# Altium PCB PROC054D_MMWCAS_RF_EVM.PcbDoc (part 3 of 14) (continued)
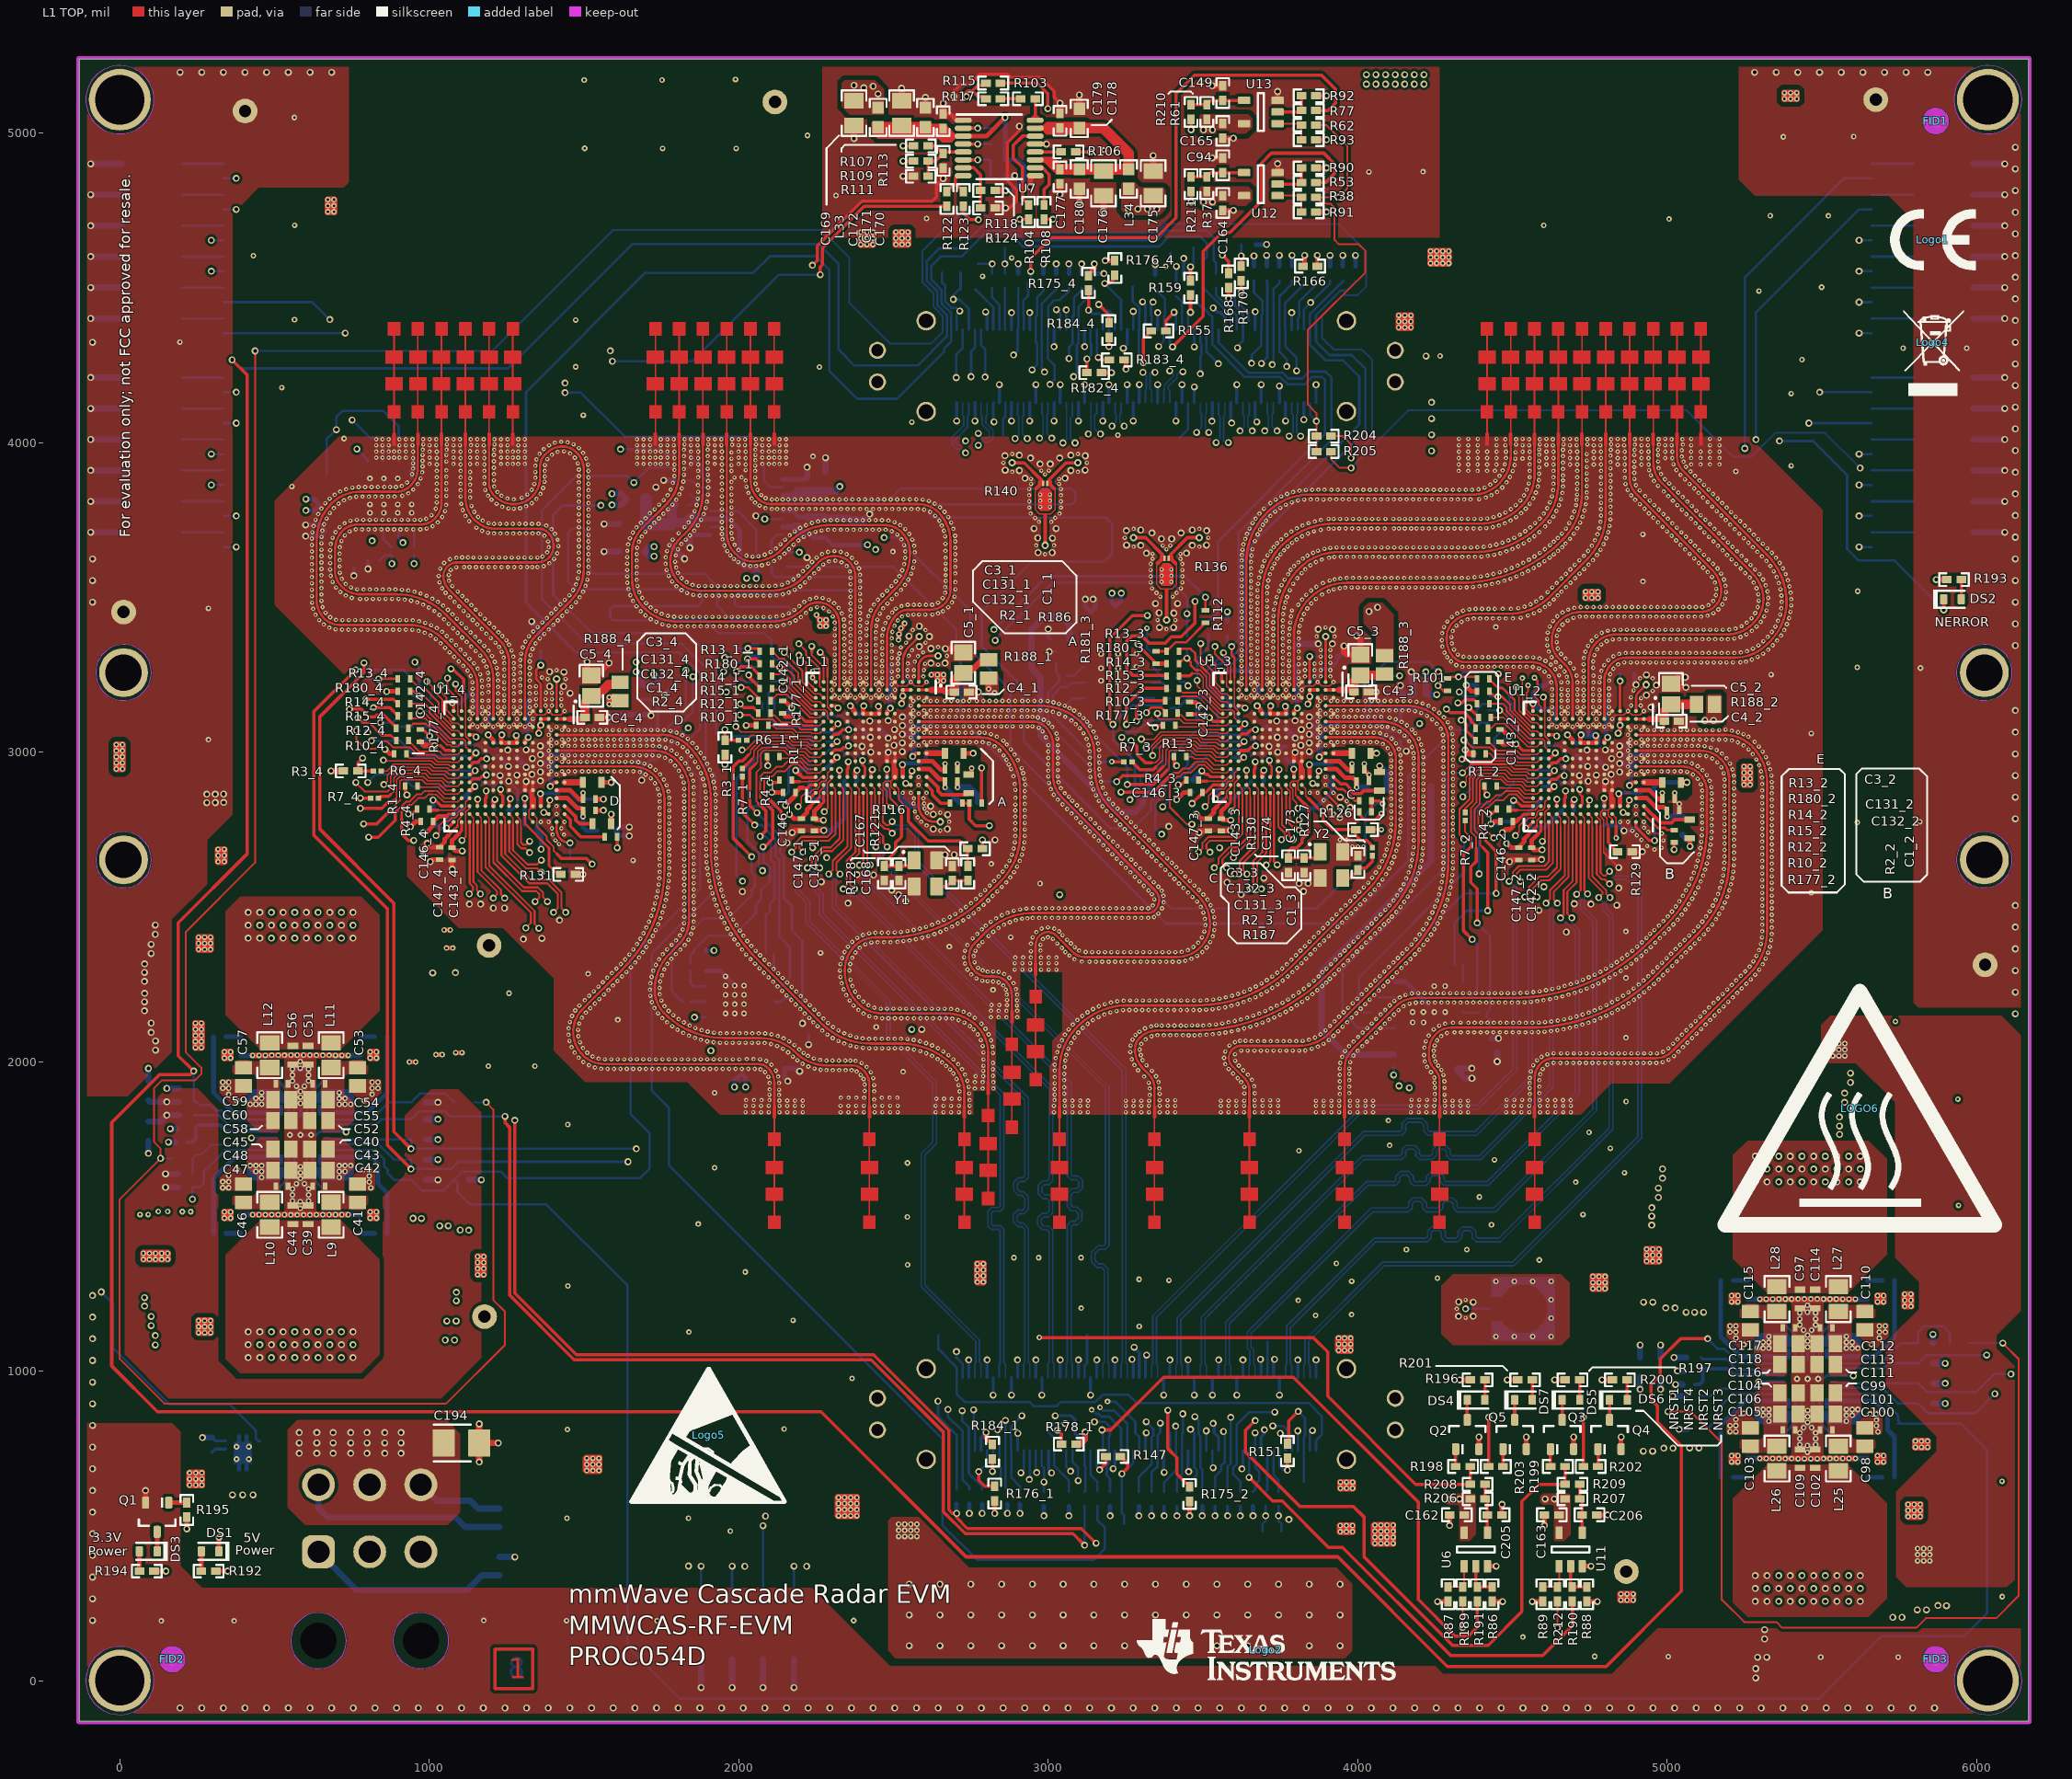
[diagram p0: L1 TOP view]
## Part data (continued)
R38 R53 R62 R77 R189 R190 R191 R212: library part CMP-0026794-1, "RES, 100, 0.1%, 0.1 W, AEC-Q200 Grade 0, 0402", Manufacturer=Vishay/Beyschlag, Power_W=100mW, Supplier Part Number 1=MCS0402-100-MBCT-ND, TempCo="25 ppm/C", Tolerance_%=0.1%, Value2=0.1W, Value_Code=100R, ValueDisplayed=100, AEC Category=Q200, AEC Grade=0, AEC Qualified=Y, ComponentLink1Description="Datasheet link", ComponentLink1URL=http://www.vishay.com/docs/28785/mcat_pre.pdf, CompType=Resistor, EIA_Code=E192, LatestRevisionDate=2017-03-09, MountType=SMT, PackageReference=0402, PartNumber=MCS0402MD1000BE100, Published=2008-06-26, Publisher="Texas Instruments", Res_ohm=100, RoHS=Y, SizeArea_mm2=0.5, SizeX_mm=1, SizeY_mm=0.5, SizeZ_mm=0.6, Supplier 1=Digi-Key, Supplier 2=Newark, Supplier 3=Mouser, Supplier Part Number 2=01Y6988, Supplier Part Number 3=594-MCS0402MD1000BE1, Technology="Thin Film", U/M=EA, Value1=0.1%, VDC_V=50V
R39 R40 R41 R42 R63 R64 R65 R66: library part CMP-0026928-3, "RES, 3.9, 5%, 0.063 W, AEC-Q200 Grade 0, 0402", Manufacturer=Vishay-Dale, Power_W=63mW, Supplier Part Number 1=541-3.9JCT-ND, TempCo="200 ppm/C", Tolerance_%=5%, Value2=0.063W, Value_Code=3R90, ValueDisplayed=3.9, AEC Category=Q200, AEC Grade=0, AEC Qualified=Y, ComponentLink1Description="Datasheet link", ComponentLink1URL=http://www.vishay.com/docs/20035/dcrcwe3.pdf, CompType=Resistor, EIA_Code=E24, MountType=SMT, PackageReference=0402, PartNumber=CRCW04023R90JNED, Res_ohm=3.9, RoHS=E, SizeArea_mm2=0.5, SizeX_mm=1, SizeY_mm=0.5, SizeZ_mm=0.6, Supplier 1=Digi-Key, Supplier 2=Mouser, Supplier 3=Farnell, Supplier Part Number 2=71-CRCW0402J-3.9-E3, Supplier Part Number 3=1739061, Technology="Thick Film", Value1=5%, VDC_V=50V
R44 R68 R73 R75 R96 R97: library part CMP-0025884-3, "RES, 0, 5%, 0.125 W, 0603", Manufacturer=Vishay/Beyschlag, Power_W=125mW, Supplier Part Number 1=MCT0603-0.0-ZZCT-ND, TempCo=ppm/C, Tolerance_%=5%, Value2=0.125W, Value_Code=0000, ValueDisplayed=0, AEC Category=Q200, AEC Grade=N/A, AEC Qualified=N, ComponentLink1Description="Datasheet link", ComponentLink1URL=http://www.vishay.com/docs/28705/mcx0x0xpro.pdf, CompType=Resistor, EIA_Code=E24, LatestRevisionDate=2017-03-09, MountType=SMT, PackageReference=0603, PartNumber=MCT06030Z0000ZP500, Published=2008-06-26, Publisher="Texas Instruments", Res_ohm=0, RoHS=Y, SizeArea_mm2=1.28, SizeX_mm=1.6, SizeY_mm=0.8, SizeZ_mm=1, Supplier 1=Digi-Key, Supplier 2=Newark, Supplier 3=Mouser, Supplier Part Number 2=96Y9454, Supplier Part Number 3=594-MCT06030Z0000ZP5, Technology="Thin Film", U/M=EA, Value1=5%
R46 R47 R70 R71 R180_1 R180_2 R180_3 R180_4 R181_1 R181_2 R181_3 R181_4: library part CMP-0026938-5, "RES, 4.7 k, 5%, 0.063 W, AEC-Q200 Grade 0, 0402", Manufacturer=Vishay-Dale, Power_W=63mW, Supplier Part Number 1=541-4.7KJCT-ND, TempCo="200 ppm/C", Tolerance_%=5%, Value2=0.063W, Value_Code=4k70, ValueDisplayed=4.7k, AEC Category=Q200, AEC Grade=0, AEC Qualified=Y, ComponentLink1Description="Datasheet link", ComponentLink1URL=http://www.vishay.com/docs/20035/dcrcwe3.pdf, CompType=Resistor, EIA_Code=E24, MountType=SMT, PackageReference=0402, PartNumber=CRCW04024K70JNED, Res_ohm=4.7k, RoHS=E, SizeArea_mm2=0.5, SizeX_mm=1, SizeY_mm=0.5, SizeZ_mm=0.6, Supplier 1=Digi-Key, Supplier 2=Newark, Supplier 3=Mouser, Supplier Part Number 2=59M6733, Supplier Part Number 3=71-CRCW0402J-4.7K-E3, Technology="Thick Film", Value1=5%, VDC_V=50V
R79 R82 R83 R84 R85: library part CMP-0026404-2, "RES, 49.9, 1%, 0.063 W, AEC-Q200 Grade 0, 0402", Manufacturer=Vishay-Dale, Power_W=63mW, Supplier Part Number 1=541-49.9LCT-ND, TempCo="100 ppm/C", Tolerance_%=1%, Value2=0.063W, Value_Code=49R9, ValueDisplayed=49.9, AEC Category=Q200, AEC Grade=0, AEC Qualified=Y, ComponentLink1Description="Datasheet link", ComponentLink1URL=http://www.vishay.com/docs/20035/dcrcwe3.pdf, CompType=Resistor, EIA_Code=E96, MountType=SMT, PackageReference=0402, PartNumber=CRCW040249R9FKED, Res_ohm=49.9, RoHS=E, SizeArea_mm2=0.5, SizeX_mm=1, SizeY_mm=0.5, SizeZ_mm=0.6, Supplier 1=Digi-Key, Supplier 2=Newark, Supplier 3=Mouser, Supplier Part Number 2=52K7114, Supplier Part Number 3=71-CRCW0402-49.9-E3, Technology="Thick Film", Value1=1%, VDC_V=50V
R98 R99 R100 R101 R102 R112 R114 R125 R154 R156 R158 R160: library part CMP-0081856-1, "RES, 0, 0%, 0.2 W, AEC-Q200 Grade 0, 0402", Manufacturer=Vishay-Dale, Power_W=200mW, Supplier Part Number 1=541-0.0YBTR-ND, Tolerance_%=0%, Value2=0.2W, Value_Code=0, AEC Category=Q200, AEC Grade=0, AEC Qualified=Y, ComponentLink1Description="Datasheet link", ComponentLink1URL=http://www.vishay.com/docs/20043/crcwhpe3.pdf, CompType=Resistor, MountType=SMT, PackageReference=0402, PartNumber=CRCW04020000Z0EDHP, Res_ohm=0, RoHS=Y, SizeArea_mm2=0.5, SizeAreaWB_mm2=3, SizeX_mm=1, SizeY_mm=0.5, SizeZ_mm=0.6, Supplier 1=Digi-Key, Supplier 2=Newark, Supplier 3=Mouser, Supplier Part Number 2=96Y9050, Supplier Part Number 3=71-CRCW04020000Z0EDH, Technology="Thick Film", Value1=0%, ValueDisplayed=0, VDC_V=50V
R103 R104 R106 R108 R132 R133 R134 R135: library part CMP-0026932-3, "RES, 43, 5%, 0.063 W, AEC-Q200 Grade 0, 0402", Manufacturer=Vishay-Dale, Power_W=63mW, Supplier Part Number 1=541-43JCT-ND, TempCo="200 ppm/C", Tolerance_%=5%, Value2=0.063W, Value_Code=43R0, ValueDisplayed=43, AEC Category=Q200, AEC Grade=0, AEC Qualified=Y, ComponentLink1Description="Datasheet link", ComponentLink1URL=http://www.vishay.com/docs/20035/dcrcwe3.pdf, CompType=Resistor, EIA_Code=E24, MountType=SMT, PackageReference=0402, PartNumber=CRCW040243R0JNED, Res_ohm=43, RoHS=E, SizeArea_mm2=0.5, SizeX_mm=1, SizeY_mm=0.5, SizeZ_mm=0.6, Supplier 1=Digi-Key, Supplier 2=Mouser, Supplier Part Number 2=71-CRCW0402J-43-E3, Technology="Thick Film", Value1=5%, VDC_V=50V
R105: library part CMP-0082348-1, "RES, 11.5 k, 1%, 0.1 W, AEC-Q200 Grade 0, 0402", Manufacturer=Panasonic, Power_W=100mW, TempCo="100 ppm/C", Tolerance_%=1%, Value2=0.1W, Value_Code=11k5, ValueDisplayed=11.5k, AEC Category=Q200, AEC Grade=0, AEC Qualified=Y, ComponentLink1Description="Datasheet link", ComponentLink1URL=https://industrial.panasonic.com/cdbs/www-data/pdf/RDA0000/AOA0000C304.pdf, CompType=Resistor, EIA_Code=E96, MountType=SMT, PackageReference=0402, PartNumber=ERJ-2RKF1152X, Res_ohm=11.5k, RoHS=Y, SizeArea_mm2=0.5, SizeAreaWB_mm2=3, SizeX_mm=1, SizeY_mm=0.5, SizeZ_mm=0.6, Technology="Thick Film", Value1=1%
R110: library part CMP-0082349-1, "RES, 3.09 k, 1%, 0.1 W, AEC-Q200 Grade 0, 0402", Manufacturer=Panasonic, Power_W=100mW, TempCo="100 ppm/C", Tolerance_%=1%, Value2=0.1W, Value_Code=3k09, ValueDisplayed=3.09k, AEC Category=Q200, AEC Grade=0, AEC Qualified=Y, ComponentLink1Description="Datasheet link", ComponentLink1URL=https://industrial.panasonic.com/cdbs/www-data/pdf/RDA0000/AOA0000C304.pdf, CompType=Resistor, EIA_Code=E96, Green_EU RoHS="Passed with Exemption", Green_EU RoHS-2=Incomplete, Green_Lifecycle=Active, Green_REACh=Incomplete, MountType=SMT, PackageReference=0402, PartNumber=ERJ-2RKF3091X, Res_ohm=3.09k, RoHS=Y, SizeArea_mm2=0.5, SizeAreaWB_mm2=3, SizeX_mm=1, SizeY_mm=0.5, SizeZ_mm=0.6, Technology="Thick Film", Value1=1%
R111: library part CMP-0026703-1, "RES, 49.9, 1%, 0.1 W, AEC-Q200 Grade 0, 0402", Manufacturer=Panasonic, Power_W=100mW, Supplier Part Number 1=P49.9LCT-ND, TempCo="100 ppm/C", Tolerance_%=1%, Value2=0.1W, Value_Code=49R9, ValueDisplayed=49.9, AEC Category=Q200, AEC Grade=0, AEC Qualified=Y, ComponentLink1Description="Datasheet link", ComponentLink1URL=http://industrial.panasonic.com/lecs/www-data/pdf/AOA0000/AOA0000CE2.pdf, CompType=Resistor, EIA_Code=E96, LatestRevisionDate=2017-03-09, MountType=SMT, PackageReference=0402, PartNumber=ERJ-2RKF49R9X, Published=2008-06-26, Publisher="Texas Instruments", Res_ohm=49.9, RoHS=Y, SizeArea_mm2=0.5, SizeX_mm=1, SizeY_mm=0.5, SizeZ_mm=0.6, Supplier 1=Digi-Key, Supplier 2=Newark, Supplier 3=Mouser, Supplier Part Number 2=73T6527, Supplier Part Number 3=667-ERJ-2RKF49R9X, Technology="Thick Film", U/M=EA, Value1=1%, VDC_V=50V
R113: library part CMP-0026071-3, "RES, 1.00 k, 1%, 0.063 W, AEC-Q200 Grade 0, 0402", Manufacturer=Vishay-Dale, Power_W=63mW, Supplier Part Number 1=541-1.00KLCT-ND, TempCo="100 ppm/C", Tolerance_%=1%, Value2=0.063W, Value_Code=1k00, ValueDisplayed=1.00k, AEC Category=Q200, AEC Grade=0, AEC Qualified=Y, ComponentLink1Description="Datasheet link", ComponentLink1URL=http://www.vishay.com/docs/20035/dcrcwe3.pdf, CompType=Resistor, EIA_Code=E96, MountType=SMT, PackageReference=0402, PartNumber=CRCW04021K00FKED, Res_ohm=1k, RoHS=E, SizeArea_mm2=0.5, SizeX_mm=1, SizeY_mm=0.5, SizeZ_mm=0.6, Supplier 1=Digi-Key, Supplier 2=Newark, Supplier 3=Mouser, Supplier Part Number 2=52K6545, Supplier Part Number 3=71-CRCW0402-1.0K-E3, Technology="Thick Film", Value1=1%, VDC_V=50V
R136: library part CMP-0083872-1, "RES, 100, 2%, 0.03 W, 02016", Manufacturer=Vishay-Semiconductor, Power_W=30mW, TempCo="100 ppm/C", Tolerance_%=5%, Value1=2%, Value2=0.03W, Value_Code=100R, ValueDisplayed=100, AEC Category=Q200, AEC Grade=N/A, AEC Qualified=N, ComponentLink1Description="Datasheet link", ComponentLink1URL=http://www.vishay.com/docs/53014/ch.pdf, CompType=Resistor, EIA_Code=E24, MountType=SMT, PackageReference=02016, PartNumber=CH02016-100RGFT, Res_ohm=100, RoHS=Y, SizeArea_mm2=0.1872, SizeAreaWB_mm2=2.0572, SizeX_mm=0.48, SizeY_mm=0.39, SizeZ_mm=0.547, Technology="Thin Film", VDC_V=30V
R140: library part CMP-0083872-1, "RES, 100, 2%, 0.03 W, 02016", Manufacturer=Vishay-Semiconductor, Power_W=30mW, TempCo="100 ppm/C", Tolerance_%=2%, Value1=5%, Value2=0.03W, Value_Code=100R, ValueDisplayed=100, AEC Category=Q200, AEC Grade=N/A, AEC Qualified=N, ComponentLink1Description="Datasheet link", ComponentLink1URL=http://www.vishay.com/docs/53014/ch.pdf, CompType=Resistor, EIA_Code=E24, MountType=SMT, PackageReference=02016, PartNumber=CH02016-100RGFT, Res_ohm=100, RoHS=Y, SizeArea_mm2=0.1872, SizeAreaWB_mm2=2.0572, SizeX_mm=0.48, SizeY_mm=0.39, SizeZ_mm=0.547, Technology="Thin Film", VDC_V=30V
R164 R173: library part CMP-0025963-3, "RES, 10.0, 1%, 0.063 W, AEC-Q200 Grade 0, 0402", Manufacturer=Vishay-Dale, Power_W=63mW, Supplier Part Number 1=541-10.0LCT-ND, TempCo="100 ppm/C", Tolerance_%=1%, Value2=0.063W, Value_Code=10R0, ValueDisplayed=10.0, AEC Category=Q200, AEC Grade=0, AEC Qualified=Y, ComponentLink1Description="Datasheet link", ComponentLink1URL=http://www.vishay.com/docs/20035/dcrcwe3.pdf, CompType=Resistor, EIA_Code=E96, MountType=SMT, PackageReference=0402, PartNumber=CRCW040210R0FKED, Res_ohm=10, RoHS=E, SizeArea_mm2=0.5, SizeX_mm=1, SizeY_mm=0.5, SizeZ_mm=0.6, Supplier 1=Digi-Key, Supplier 2=Newark, Supplier 3=Mouser, Supplier Part Number 2=52K6600, Supplier Part Number 3=71-CRCW0402-10-E3, Technology="Thick Film", Value1=1%, VDC_V=50V
R166 R167 R168: library part CMP-0026463-2, "RES, 5.11 k, 1%, 0.063 W, AEC-Q200 Grade 0, 0402", Manufacturer=Vishay-Dale, Power_W=63mW, Supplier Part Number 1=541-5.11KLCT-ND, TempCo="100 ppm/C", Tolerance_%=1%, Value2=0.063W, Value_Code=5k11, ValueDisplayed=5.11k, AEC Category=Q200, AEC Grade=0, AEC Qualified=Y, ComponentLink1Description="Datasheet link", ComponentLink1URL=http://www.vishay.com/docs/20035/dcrcwe3.pdf, CompType=Resistor, EIA_Code=E96, MountType=SMT, PackageReference=0402, PartNumber=CRCW04025K11FKED, Res_ohm=5.11k, RoHS=E, SizeArea_mm2=0.5, SizeX_mm=1, SizeY_mm=0.5, SizeZ_mm=0.6, Supplier 1=Digi-Key, Supplier 2=Newark, Supplier 3=Mouser, Supplier Part Number 2=52K7119, Supplier Part Number 3=71-CRCW0402-5.11K-E3, Technology="Thick Film", Value1=1%, VDC_V=50V
R175_1 R175_2 R175_3 R175_4 R178_1 R178_2 R178_3 R178_4 R179_1 R179_2 R179_3 R179_4 R182_1 R182_2 R182_3 R182_4 R183_1 R183_2 R183_3 R183_4: library part CMP-0025950-3, "RES, 100 k, 1%, 0.063 W, AEC-Q200 Grade 0, 0402", Manufacturer=Vishay-Dale, Power_W=63mW, Supplier Part Number 1=541-100KLCT-ND, TempCo="100 ppm/C", Tolerance_%=1%, Value2=0.063W, Value_Code=100k, AEC Category=Q200, AEC Grade=0, AEC Qualified=Y, ComponentLink1Description="Datasheet link", ComponentLink1URL=http://www.vishay.com/docs/20035/dcrcwe3.pdf, CompType=Resistor, EIA_Code=E96, MountType=SMT, PackageReference=0402, PartNumber=CRCW0402100KFKED, Res_ohm=100k, RoHS=E, SizeArea_mm2=0.5, SizeX_mm=1, SizeY_mm=0.5, SizeZ_mm=0.6, Supplier 1=Digi-Key, Supplier 2=Newark, Supplier 3=Mouser, Supplier Part Number 2=52K6607, Supplier Part Number 3=71-CRCW0402-100K-E3, Technology="Thick Film", Value1=1%, ValueDisplayed=100k, VDC_V=50V
R192 R194 R195 R196 R197 R198 R199 R200 R201 R202 R203: library part CMP-0078212-1, "RES, 510, 5%, 0.1 W, AEC-Q200 Grade 0, 0402", Manufacturer=Panasonic, Power_W=100mW, Supplier Part Number 1=P510JCT-ND, TempCo="200 ppm/C", Tolerance_%=5%, Value2=0.1W, Value_Code=510R, ValueDisplayed=510, AEC Category=Q200, AEC Grade=0, AEC Qualified=Y, ComponentLink1Description="Datasheet link", ComponentLink1URL=https://industrial.panasonic.com/cdbs/www-data/pdf/RDA0000/DMA0000COL9.pdf, CompType=Resistor, EIA_Code=E24, MountType=SMT, PackageReference=0402, PartNumber=ERJ-2GEJ511X, Res_ohm=510, RoHS=Y, SizeArea_mm2=0.5, SizeX_mm=1, SizeY_mm=0.5, SizeZ_mm=0.6, Supplier 1=Digi-Key, Supplier 2=Newark, Supplier 3=Mouser, Supplier Part Number 2=65T8293, Supplier Part Number 3=667-ERJ-2GEJ511X, Technology="Thick Film", U/M=EA, Value1=5%, VDC_V=50V
R193: library part CMP-0078194-1, "RES, 360, 5%, 0.1 W, AEC-Q200 Grade 0, 0402", Manufacturer=Panasonic, Power_W=100mW, Supplier Part Number 1=P360JCT-ND, TempCo="200 ppm/C", Tolerance_%=5%, Value2=0.1W, Value_Code=360R, ValueDisplayed=360, AEC Category=Q200, AEC Grade=0, AEC Qualified=Y, ComponentLink1Description="Datasheet link", ComponentLink1URL=https://industrial.panasonic.com/cdbs/www-data/pdf/RDA0000/DMA0000COL9.pdf, CompType=Resistor, EIA_Code=E24, MountType=SMT, PackageReference=0402, PartNumber=ERJ-2GEJ361X, Res_ohm=360, RoHS=Y, SizeArea_mm2=0.5, SizeX_mm=1, SizeY_mm=0.5, SizeZ_mm=0.6, Supplier 1=Digi-Key, Supplier 2=Newark, Supplier 3=Mouser, Supplier Part Number 2=53W4165, Supplier Part Number 3=667-ERJ-2GEJ361X, Technology="Thick Film", U/M=EA, Value1=5%, VDC_V=50V
TP1_1 TP1_2 TP1_3 TP1_4 TP2_1 TP2_2 TP2_3 TP2_4 TP3_1 TP3_2 TP3_3 TP3_4 TP4 TP5 TP6 TP7 TP8 TP9 TP10 TP11 TP12 TP13 TP14 TP15 TP21 TP22 TP23 TP24 TP26 TP27 TP28 TP31 TP32 TP33: library part CMP-0003825-1, "1mm Test Point, SMT", Manufacturer=Any, ComponentLink1Description="Datasheet Link", ComponentLink1URL=https://sps06.itg.ti.com/sites/KMS/crossdivteams/altium/docs/ComponentDatasheets/PROBE_TEST_POINT.png, CompType="Test Point", Key=TP_SM_1MM, LatestRevisionDate=2017-03-09, MountType=SMT, PackageReference="1mm Test Point, SMT", PartNumber=TP_SM_1MM, Publisher="Texas Instruments"
TP16 TP17 TP18 TP19 TP20 TP25 TP29 TP30: library part CMP-0055138-1, "Test Point, Miniature, Black, TH", Color=Black, Manufacturer=Keystone, Supplier Part Number 1=36-5001-ND, CNHeader=FALSE, ComponentLink1Description="Datasheet URL", ComponentLink1URL=http://www.keyelco.com/userAssets/file/M60-2p60.pdf, CompType="Test Point", ContactFinish=Silver, CT=TRUE, Green_EU RoHS=Passed, Green_EU RoHS-2=Incomplete, Green_Lifecycle=Active, Green_REACh=Passed, LatestRevisionDate=26/05/2017, MountType=TH, PackageReference="Black Miniature Testpoint", PartNumber=5001, Publisher="Texas Instruments", RoHS=Y, Supplier 1=Digi-Key, Supplier 2=Mouser, Supplier Part Number 2=534-5001
U1_1 U1_2 U1_3 U1_4: library part CMP-0082537-1, "Single Chip 77 and 79 GHz FMCW Transceiver, ABL0161A (FCBGA-161)", Alternate Manufacturer="Texas Instruments", Rating=Automotive, AEC Category=Q200, AEC Qualified=Y, ComponentLink1Description="Datasheet Link", ComponentLink1URL=http://www.ti.com/lit/ds/symlink/awr2243-q1.pdf, ComponentLink2Description="Product Folder", ComponentLink2URL=http://www.ti.com/product/awr2243-q1, ComponentLink3Description="Online Datasheet", ComponentLink3URL=http://www.ti.com/product/awr2243-q1/datasheet, CompType=IC, Manufacturer="Texas Instruments", MountType=SMT, PackageDescription=FCBGA-161, PackageReference=ABL0161A, PartId=1, PartNumber=XA2243PBGABL, SizeArea_mm2=108.16, SizeAreaWB_mm2=153.76, SizeX_mm=10.4, SizeY_mm=10.4, SizeZ_mm=1.17
U2_1 U2_2 U2_3 U2_4: library part CMP-0079267-1, "2.3V-3.6V, 16M-BIT [x 1/x 2/x 4] CMOS FLASH Memory, WSON-8", Manufacturer="Macronix International Co., LTD", Supplier Part Number 1=1092-1211-ND, ComponentLink1Description="Datasheet URL", ComponentLink1URL=http://www.macronix.com/Lists/Datasheet/Attachments/6724/MX25V1635F,%202.5V,%2016Mb,%20v1.4.pdf, MountType=SMT, PackageReference=WSON-8, PartNumber=MX25V1635FZNQ, RoHS=Y, SizeArea_mm2=30, SizeAreaWB_mm2=56, SizeX_mm=6, SizeY_mm=5, SizeZ_mm=0.8, Supplier 1=Digi-Key
U3 U4: library part CMP-0083823-1, "4-A + 2.5-A + Two 1.5-A Buck Converters With Integrated Switches, RNF0026C (VQFN-HR-26)", Alternate Manufacturer="Texas Instruments", Alternate PartNumber=LP87524PRNFRQ1, Rating=Automotive, AEC Category=Q200, AEC Qualified=Y, ComponentLink1Description="Datasheet Link", ComponentLink1URL=http://www.ti.com/lit/ds/symlink/lp87524-q1.pdf, ComponentLink2Description="Product Folder", ComponentLink2URL=http://www.ti.com/product/lp87524-q1, ComponentLink3Description="Online Datasheet", ComponentLink3URL=http://www.ti.com/product/lp87524-q1/datasheet, CompType=IC, Manufacturer="Texas Instruments", MountType=SMT, PackageDescription=VQFN-HR-26, PackageReference=RNF0026C, PartNumber=LP87524PRNFTQ1, SizeArea_mm2=18, SizeAreaWB_mm2=27.5, SizeX_mm=4, SizeY_mm=4.5, SizeZ_mm=0.9
U5: library part CMP-0036354-2, "Single Output Automotive LDO, 1 A, Fixed 3.3 V Output, 2.2 to 5.5 V Input, with Reverse Current Protection, 8-pin SON (DRB), -40 to 125 degC, Green (RoHS & no Sb/Br)", Manufacturer="Texas Instruments", Rating=Automotive, Accuracy(%)=3, ComponentLink1Description="Manufacturer URL", ComponentLink1URL=http://www.ti.com/, ComponentLink2Description=Datasheet, ComponentLink2URL=http://www.ti.com/general/docs/lit/getliterature.tsp?genericPartNumber=TPS73733-Q1&fileType=pdf, ComponentLink3Description="Package Specification", ComponentLink3URL=http://www.ti.com/litv/pdf/mpds118h, DatasheetVersion=SBVS123, Eco-Plan="Green (RoHS & no Sb/Br)", Fixed Output Options(V)=3.3, Iout(Max)(A)=1, Iq(Typ)(mA)=0.3, Mounting Technology="Surface Mount", PackageDescription="8-Pin Plastic Small Outline, Body 3 x 3 mm, Pitch 0.65 mm", PackageReference=DRB0008A, PackageVersion=4203482-2/K, PartNumber=TPS73733QDRBRQ1, SubFamily="Single Channel LDO", Vdo(Typ)(mV)=130, Vin(Max)(V)=5.5, Vin(Min)(V)=2.2, Vout Adj(Max)(V)=3.3, Vout Adj(Min)(V)=3.3
U6 U11 U12 U13: library part CMP-0051570-2, "Automotive Catalog Single 2-Input Positive-AND Gate, DBV0005A, LARGE T&R", Alternate Manufacturer="Texas Instruments", F @ Nom Voltage(Max)(Mhz)=150, Generic Part Number=SN74LVC1G08-Q1, ICC @ Nom Voltage(Max)(mA)=0.01, Operating Temperature Range(C)="-40 to 125,-40 to 85", Rating=Automotive, tpd @ Nom Voltage(Max)(ns)=8,5.5,4.5,4, Voltage(Nom)(V)=1.8,2.5,3.3,5, 3-State Output=No, AEC Category=Q200, AEC Qualified=Y, Bits(#)=1, ComponentLink1Description="Datasheet Link", ComponentLink1URL=http://www.ti.com/lit/ds/symlink/SN74LVC1G08-Q1.pdf, ComponentLink2Description="Product Folder", ComponentLink2URL=http://www.ti.com/product/SN74LVC1G08-Q1, CompType=IC, DatasheetVersion=SCES556F, Gate Type=AND, Input Type=CMOS/TTL, Logic=True, Manufacturer="Texas Instruments", MountType=SMT, Output Drive (IOL/IOH)(Max)(mA)=32/-32, Output Type=CMOS, PackageDescription=SOT-23-5, PackageReference=DBV0005A, PartId=1, PartNumber=SN74LVC1G08QDBVRQ1, RoHS=Y, Schmitt Trigger=No, Sub-Family="AND Gate", Technology Family=LVC, VCC(Max)(V)=5.5, VCC(Min)(V)=1.65
U7 U8: library part CMP-0065663-1, "Low Skew, 1-to-4 Multiplexed Differential/LVCMOS-to-LVCMOS/TTL Fanout Buffer, PW0016A (TSSOP-16)", Alternate Manufacturer="Texas Instruments", ComponentLink1Description="Datasheet Link", ComponentLink1URL=http://www.ti.com/lit/ds/symlink/lmk00804b.pdf, CompType=IC, Footprint Path 6=C:\AltiumLibraries\Footprints\TI\.PcbLib, Green_EU RoHS=Passed, Green_EU RoHS-2=Passed, Green_Lifecycle=Active, Green_REACh=Passed, LatestRevisionDate=2017-06-09, Manufacturer="Texas Instruments", MountType=SMT, PackageDescription=TSSOP-16, PackageReference=PW0016A, PartNumber=LMK00804BPW, Publisher="Texas Instruments", RoHS=Y, SizeArea_mm2=32.0, SizeAreaWB_mm2=58.8, SizeX_mm=6.4, SizeY_mm=5.0, SizeZ_mm=1.2, U/M=EA
U9 U10: library part CMP-0067397-2, "1.4V-Capable +/-0.5degC Temperature Sensor with Alert Function and I2C/SMBus interface in SOT-563, DRL0006A (SOT-OTHER-6)", Alternate Manufacturer="Texas Instruments", Alternate PartNumber=TMP112AIDRLT, ComponentLink1Description="Datasheet Link", ComponentLink1URL=http://www.ti.com/lit/ds/symlink/tmp112.pdf, CompType=IC, Green_EU RoHS=Passed, Green_EU RoHS-2=Passed, Green_Lifecycle=Active, Green_REACh=Passed, LatestRevisionDate=2017-06-09, Manufacturer="Texas Instruments", MountType=SMT, PackageDescription=SOT-OTHER-6, PackageReference=DRL0006A, PartNumber=TMP112AIDRLR, Publisher="Texas Instruments", RoHS=Y, SizeArea_mm2=2.56, SizeAreaWB_mm2=6.76, SizeX_mm=1.6, SizeY_mm=1.6, SizeZ_mm=0.6, U/M=EA
Y1 Y2: library part CMP-0004694-3, "Crystal, 40 MHz, 8pF, SMD", Frequency_Fixed=40MHz, Frequency Stability=+/-200ppm, Manufacturer=Kyocera, Supplier Part Number 1=581-CX3225SA40D0PTWC, ComponentLink1Description="Datasheet Link", ComponentLink1URL=http://www.kyocera-crystal.jp/eng/wp-content/uploads/2016/10/cx3225sa_e.pdf, CompType=Crystal, MountType=SMT, PackageReference=3.2x2.5mm, PartNumber=CX3225SA40000D0PTWCC, RoHS=Y, SizeArea_mm2=8, SizeAreaWB_mm2=14.7, SizeX_mm=2.5, SizeY_mm=3.2, SizeZ_mm=0.8, Supplier 1=Mouser, TaMax_C=125°C, TaMin_C=-40°C
ZZ1: library part CMP-0077236-1, "These assemblies are ESD sensitive, ESD precautions shall be observed.", ClassName=AssemblyNote, CompType=AssemblyNote, Key=AssemblyNote, LatestRevisionDate=2017-08-10, Publisher="Texas Instruments"
ZZ2: library part CMP-0077237-1, ClassName=AssemblyNote, CompType=AssemblyNote, Key=AssemblyNote, LatestRevisionDate=2017-08-10, Publisher="Texas Instruments"
ZZ3: library part CMP-0077238-1, "These assemblies must comply with workmanship standards IPC-A-610 Class 2, unless otherwise specified.", ClassName=AssemblyNote, CompType=AssemblyNote, Key=AssemblyNote, LatestRevisionDate=2017-08-10, Publisher="Texas Instruments"
ZZ4: library part CMP-0077238-1, ClassName=AssemblyNote, CompType=AssemblyNote, Key=AssemblyNote, LatestRevisionDate=2017-08-10, Publisher="Texas Instruments"

## Free pads (board coordinates)
  round 200 hole 160: ""(0,0) ""(0,5108) ""(6037,0) ""(6037,5108)
  round 158.11 hole 118.11: ""(12,2652) ""(12,3257) ""(6025.21,2652) ""(6025.21,3257)

## Via types
v1: diameter 13.77/15.74 (per signal layer), hole 5.9, L1 TOP to L2 GND, tented both sides, 5522 vias
v2: diameter 22.4, hole 12.2, L1 TOP to L8 BOTTOM, tented both sides, 1522 vias
v3: diameter 18, hole 8, L1 TOP to L8 BOTTOM, tented both sides, 727 vias
v4: diameter 18, hole 7.87, L1 TOP to L8 BOTTOM, tented top, 50 vias
v5: diameter 24, hole 12, L1 TOP to L8 BOTTOM, tented both sides, 13 vias
v6: diameter 19.68, hole 7.87, L1 TOP to L8 BOTTOM, tented top, 10 vias
v7: diameter 13.77/15.74 (per signal layer), hole 5.9, L1 TOP to L2 GND, tented top, 1 vias

## Nets (pads, with @x,y where several pads share a name; then routed paths per layer and width w, separated by ;. In a path a pad name is that pad's centre, name@x,y a point inside that pad or via, vN(x,y) a via of type N, cw(c..) or ccw(c..) an arc to the next point about the centre after c; other vN are vias at no path point)
40M_BUF_IN_PRIMAWRY: R107.2 R109.2 R111.2 R113.2 U7.5 | length 233.5
  L1 TOP w10.5: R111.2@2611.99,4860.7 R109.2@2611.99,4909.65 2636.09,4909.65 R113.2@2660.57,4934.13 ; R107.2@2611.99,4958.61 2636.09,4958.61 R113.2@2660.57,4934.13 ; U7.5@2725.57,4939.13 2665.57,4939.13 R113.2@2660.57,4934.13
40M_BUF_IN_SECONDAWRY: R122.2 R123.2 U7.8 | length 120.2
  L1 TOP w10.5: R122.2@2672.94,4810.62 2699.26,4836.94 ; R123.2@2725.57,4810.62 2699.26,4836.94 ; U7.8@2725.57,4862.36 2709.45,4862.36 2699.26,4852.17 2699.26,4836.94
AWR_1_1V0_RF1_FILT: C22.1 C23.1 C26.1 C136_1.1 C137_1.1 C138_1.1 C139_1.1 L4.2 U1_1.G5 U1_1.H5 U1_1.J5 | length 101.7
  L1 TOP w15: v2(2404.09,3149.57) 2402.3,3147.78 U1_1.J5@2402.3,3124.27 U1_1.G5@2453.48,3124.27 2453.48,3145.69 v2(2451.34,3147.83)
  other v3: 1156.05,1311.3 1175.74,1311.3 1156.05,1330.98 1175.74,1330.98 1156.05,1350.67 1175.74,1350.67 1156.05,1370.35 1175.74,1370.35 2262.53,3407.18 2282.21,3407.18 2262.53,3426.86 2282.21,3426.86 2251.51,3443.1
AWR_1_1V0_RF2_FILT: C24.1 C28.1 C32.1 C140_1.1 C141_1.1 L5.2 R188_1.2 U1_1.C2 U1_1.D2 | length 106
  L1 TOP w12: v2(2526.49,3156.98) 2530.25,3160.74 U1_1.D2@2530.26,3201.04 U1_1.C2@2555.85,3201.04
  L1 TOP w20: v3(2807.55,3203.9) R188_1.2@2807.55,3238.67
  other v2: 2530.26,3181.14
  other v3: 1508.89,678.8 1528.58,678.8 1548.26,678.8 1508.89,698.48 1528.58,698.48 1548.26,698.48 1508.89,718.17 1528.58,718.17 1548.26,718.17 2770.85,1288.01 2790.54,1288.01 2770.85,1307.69 2790.54,1307.69 2770.85,1327.38 2790.54,1327.38 2770.85,1347.06 2790.54,1347.06 2826.71,3191.75 2642,3230.61 2661.69,3230.61 2622.32,3250.3 2642,3250.3 2661.69,3250.3
AWR_1_1V2_FILT: C11.1 C12.1 C13.1 C142_1.1 C143_1.1 C144_1.1 C145_1.1 C146_1.1 C147_1.1 L1.2 U1_1.F13 U1_1.N11 U1_1.P14 U1_1.P15 U1_1.R6 U1_1.R14 | length 742.4
  L1 TOP w4: 2261.5,2857.69 2261.5,2873.5 2274.35,2886.35 U1_1.P14@2274.35,2893.95
  L1 TOP w8: 2253.43,2846.28 2261.5,2854.35 2261.5,2857.69 ; 2274.35,2845.01 U1_1.P15@2274.35,2868.36
  L1 TOP w10: v2@2188,3114 2200,3114 2215,3099 2227,3099 2227.32,3098.68 U1_1.R6@2248.76,3098.68 ; 2209,2884 2221,2884 2230.96,2893.96 U1_1.R14@2248.76,2893.95 ; 2230.75,2823.6 2253.43,2846.28 ; 2264.25,2828.86 2274.35,2838.95 2274.35,2845.01 ; v2(2478.51,2944.72) 2479.07,2944.16 U1_1.F13@2479.07,2919.55
  L1 TOP w15: C142_1.1@2141.49,3125.71 2152.2,3115 v2(2187,3115) v2@2188,3114 ; v2(2151,2828) 2183.58,2860.58 C146_1.1@2183.58,2870 2197.58,2884 2209,2884 ; v2(2164,2798.99) 2177.42,2785.57 C147_1.1@2203,2785.58 ; C147_1.1@2203,2787 2220,2804 2220,2812.85 2230.75,2823.6 ; 2264.25,2828.86 2244,2808.6 C143_1.1@2244,2785.58 2249.58,2780 v2(2274,2780) ; U1_1.N11@2299.94,2970.72 2305.02,2970.73 v2(2317.19,2982.9)
  L8 BOTTOM w15: C145_1.1@2280.64,2946.35 v2(2317.19,2982.9) ; C144_1.1@2478.51,2859.53 v2(2478.51,2944.72)
  other v3: 254.07,1123.95 273.75,1123.95 293.44,1123.95 254.07,1143.64 273.75,1143.64 293.44,1143.64 254.07,1163.32 273.75,1163.32 293.44,1163.32
AWR_1_1V8_FILT: C15.1 C16.1 C17.1 C128_1.1 C129_1.1 C130_1.1 C131_1.1 C132_1.1 C133_1.1 C134_1.1 C135_1.1 L2.2 U1_1.B11 U1_1.B12 U1_1.D13 U1_1.F5 U1_1.K5 U1_1.K13 | length 757.4
  L1 TOP w15: v2(2360.39,3149.45) 2371.19,3138.65 2371.19,3132.45 2376.71,3126.93 U1_1.K5@2376.71,3124.27 ; U1_1.K13@2376.71,2919.55 2376.71,2935.82 v2(2382.03,2941.14) ; U1_1.F5@2479.07,3124.27 2479.07,3130.78 v2(2489.99,3141.7) ; v2(2529,2959.6) 2530.25,2958.35 U1_1.D13@2530.25,2919.55 ; U1_1.B12@2581.44,2945.13 2616.49,2945.13 2648.59,2913.04 2659.87,2913.04 C132_1.1@2666.84,2906.06 v3(2666.84,2885.69) ; U1_1.B11@2581.44,2970.72 2625.64,2970.72 2654.35,2942.02 C131_1.1@2666.84,2942.02 v3(2666.84,2962.39)
  L8 BOTTOM w12: v2(2529,2959.6) 2533.4,2964 2589.32,2964 2605.98,2980.66 C134_1.1@2605.98,3005.49
  L8 BOTTOM w15: v2(2360.39,3149.45) 2388.15,3121.69 C129_1.1@2389.89,3121.69 ; C135_1.1@2381.3,2906 2381.3,2940.41 v2(2382.03,2941.14) ; v2(2489.99,3141.7) 2487.72,3143.97 C128_1.1@2487.72,3221.01 2487.72,3268.62 C130_1.1@2499.9,3280.8
  L8 BOTTOM w20: v3(2666.84,2885.69) 2666.84,2885.27 C133_1.1@2714.22,2837.89
  other v3: 243.93,2045.24 263.62,2045.24 243.93,2064.92 263.62,2064.92 243.93,2084.61 263.62,2084.61 243.93,2104.29 263.62,2104.29 243.93,2123.98 263.62,2123.98 2516.21,3362.33 2517.58,3381.47 2524.35,3400.18 2536.26,3416.1
AWR_1_BSS_LOGGER: J4.80 R14_1.1 | length 3684.5
  L1 TOP w10.5: v2(1992.5,3260.5) 2008,3276 2040.2,3276 R14_1.1@2070.2,3246
  L6 SIGNAL 3 w6.9: v2(1992.5,3260.5) 2005.31,3273.31 2042.89,3273.31 2075.28,3240.92 2075.28,2996.77 1988.89,2910.38 1988.89,2408.16 2124.57,2272.48 2124.57,1473.4 2545.97,1052 2545.97,958.13 2655.1,849 2766.24,849 2814.44,897.2 3037.13,897.2 3094.78,839.56 3094.78,784.49 3097,782.27 v2(3097,646)
  L8 BOTTOM w7.75: J4.80@3078.23,743.02 3078.23,706.77 3097,688 v2(3097,646)
AWR_1_CSI2_CLK_N: J4.20 U1_1.J14 | length 2300.2
  L1 TOP w4: U1_1.J14@2402.3,2893.95 2414.89,2881.37 2414.89,2862.68
  L1 TOP w6.5: 2414.89,2862.68 2414.89,2646.11 v2@2425,2636
  L8 BOTTOM w5.25: v2(2425,2635.88) 2414,2624.88 2414,2590.87 3074,1930.87 3074,1637.36 3074,1634.99 3078.66,1630.33 3096.58,1630.33 3111.09,1615.83 3111.09,1591.62 3096.77,1577.31 3081.29,1577.31 3073.95,1569.96 3073.95,1535.72 3079.79,1529.88 3093.88,1529.88 3109.15,1514.6 3109.15,1487.56 3094.42,1472.83 3079.61,1472.83 3074,1467.21 3074,1027.79 3078.23,1023.56 J4.20@3078.23,979.12
AWR_1_CSI2_CLK_P: J4.19 U1_1.J15 | length 2270.9
  L1 TOP w6.5: v2@2390,2635 2402.89,2647.89 2402.89,2867.78 U1_1.J15@2402.3,2868.36
  L8 BOTTOM w5.25: v2(2390,2634.88) 2402,2622.88 2402,2585.9 3062,1925.9 3062,1632.39 3062,1630.02 3073.68,1618.33 3091.61,1618.33 3099.09,1610.86 3099.09,1596.59 3091.8,1589.31 3076.32,1589.31 3061.95,1574.93 3061.95,1530.75 3074.82,1517.88 3088.91,1517.88 3097.15,1509.63 3097.15,1492.53 3089.45,1484.83 3074.64,1484.83 3062,1472.18 3062,1027.03 3058.54,1023.57 J4.19@3058.54,979.12
AWR_1_CSI2_TX0_N: J4.29 U1_1.G14 | length 2300.4
  L1 TOP w4: U1_1.G14@2453.48,2893.95 2453.48,2886.52 2466.07,2873.93 2466.07,2854
  L1 TOP w6.5: 2466.07,2854 2466.07,2774.57 2476.64,2764 2484.2,2764 v2@2496,2775.8
  L8 BOTTOM w5.25: v2(2496,2775.68) 2508.42,2763.26 2551.94,2763.26 2581.13,2734.07 2581.13,2645.92 3251,1976.05 3251,1026.88 3255.39,1022.49 J4.29@3255.39,979.12
AWR_1_CSI2_TX0_P: J4.28 U1_1.G15 | length 2270.7
  L1 TOP w6.5: U1_1.G15@2453.48,2868.36 2454.07,2867.78 2454.07,2769.59 2471.66,2752 2482,2752 v2@2496,2738
  L8 BOTTOM w5.25: v2(2496,2737.88) 2509.38,2751.26 2546.97,2751.26 2569.13,2729.1 2569.13,2640.95 3239,1971.08 3239,1026.86 3235.71,1023.57 J4.28@3235.71,979.12
AWR_1_CSI2_TX1_N: J4.26 U1_1.H14 | length 2300.4
  L1 TOP w4: U1_1.H14@2427.89,2893.95 2440.48,2881.37 2440.48,2860.89
  L1 TOP w6.5: 2440.48,2860.89 2440.48,2754.25 2466.72,2728.01 2466.72,2707.06 v2@2479.72,2694.06
  L8 BOTTOM w5.25: v2(2479.72,2693.94) 2467.32,2681.54 2467.32,2648.16 3197,1918.48 3197,1405.8 3184.13,1392.92 3164.76,1392.92 3151.89,1380.05 3151.89,1357.89 3162.99,1346.79 3177.31,1346.79 3193,1331.1 3193,1026.9 3196.34,1023.56 J4.26@3196.34,979.12
AWR_1_CSI2_TX1_P: J4.25 U1_1.H15 | length 2269.4
  L1 TOP w6.5: U1_1.H15@2427.89,2868.36 2428.48,2867.78 2428.48,2749.27 2454.72,2723.03 2454.72,2705.46 v2@2443.32,2694.06
  L8 BOTTOM w5.25: v2(2443.32,2693.94) 2455.32,2681.94 2455.32,2643.19 3185,1913.51 3185,1410.77 3179.16,1404.92 3159.79,1404.92 3139.89,1385.03 3139.89,1352.91 3158.02,1334.79 3172.34,1334.79 3181,1326.13 3181,1027.92 3176.65,1023.57 J4.25@3176.65,979.12
AWR_1_CSI2_TX2_N: J4.17 U1_1.K14 | length 2300.3
  L1 TOP w4: U1_1.K14@2376.71,2893.95 2389.3,2881.37 2389.3,2858
  L1 TOP w6.5: v2@2373.96,2558 2360,2571.96 2360,2643 2389.3,2672.3 2389.3,2858
  L8 BOTTOM w5.25: v2@2374.13,2557.88 v2(2373.96,2557.88) 3015.04,1916.8 3015.04,1615.09 3002.34,1602.4 2987.54,1602.4 2979.84,1594.69 2979.84,1577.6 2988.08,1569.35 3002.17,1569.35 3015.04,1556.48 3015.04,1512.29 3000.67,1497.92 2985.19,1497.92 2977.9,1490.63 2977.9,1476.37 2985.38,1468.89 3000.93,1468.89 3015,1454.82 3015,1027.91 3019.17,1023.74 J4.17@3019.17,979.12
AWR_1_CSI2_TX2_P: J4.16 U1_1.K15 | length 2289.3
  L1 TOP w6.5: v2@2337.56,2558 2348,2568.44 2348,2647.98 2377.3,2677.28 2377.3,2867.78 U1_1.K15@2376.71,2868.36
  L8 BOTTOM w5.25: v2(2337.56,2557.88) 2361.15,2534.29 2380.58,2534.29 3003.04,1911.83 3003.04,1620.07 2997.37,1614.4 2982.57,1614.4 2967.84,1599.66 2967.84,1572.63 2983.11,1557.35 2997.2,1557.35 3003.04,1551.51 3003.04,1517.26 2995.7,1509.92 2980.22,1509.92 2965.9,1495.6 2965.9,1471.4 2980.41,1456.89 2995.96,1456.89 3003,1449.85 3003,1027.08 2999.49,1023.57 J4.16@2999.49,979.12
AWR_1_CSI2_TX3_N: J4.13 U1_1.L14 | length 2300.5
  L1 TOP w4: U1_1.L14@2351.12,2893.95 2363.71,2881.37 2363.71,2860
  L1 TOP w6.5: v2@2327.4,2606 2316,2617.4 2316,2643 2363.71,2690.71 2363.71,2860
  L8 BOTTOM w5.25: v2(2327.4,2605.88) 2315,2593.48 2315,2502.7 2936,1881.7 2936,1625.23 2923.3,1612.53 2908.5,1612.53 2900.79,1604.83 2900.79,1587.73 2909.04,1579.48 2920.59,1579.48 2936,1564.08 2936,1522.42 2921.63,1508.05 2906.14,1508.05 2898.86,1500.76 2898.86,1486.5 2906.34,1479.03 2918.92,1479.03 2936,1461.95 2936,1028 2940.43,1023.57 J4.13@2940.43,979.12
AWR_1_CSI2_TX3_P: J4.12 U1_1.L15 | length 2269.9
  L1 TOP w6.5: v2@2291,2606 2304,2619 2304,2647.98 2351.71,2695.69 2351.71,2867.78 U1_1.L15@2351.12,2868.36
  L8 BOTTOM w5.25: v2(2291,2605.88) 2303,2593.88 2303,2497.73 2924,1876.73 2924,1630.2 2918.33,1624.53 2903.53,1624.53 2888.79,1609.8 2888.79,1582.76 2904.07,1567.48 2915.62,1567.48 2924,1559.11 2924,1527.39 2916.66,1520.05 2901.17,1520.05 2886.86,1505.74 2886.86,1481.53 2901.37,1467.03 2913.95,1467.03 2924,1456.98 2924,1026.82 2920.75,1023.57 J4.12@2920.75,979.12
AWR_1_DIG_SYNCIN: R132.2 R185_1.2 U1_1.N10 | length 4196.1
  L1 TOP w10.5: U1_1.N10@2299.94,2996.31 2310.89,3007.27 2329.83,3007.27 2337.45,3014.89 2349.34,3014.89 v2(2354.59,3020.14)
  L8 BOTTOM w7.75: R132.2@2106.16,3598.46 2106.16,3577.2 2118.01,3565.36 2386.17,3565.36 2397.11,3554.41 2397.11,3533.37 2386.26,3522.52 2172.07,3522.52 2161.09,3511.54 1996.75,3511.54 1986.13,3500.92 1986.13,3480.23 1997.12,3469.24 2161.5,3469.24 2172.22,3458.53 2172.22,3442.5 2157.38,3427.66 1975.83,3427.66 1930.95,3472.54 1930.95,3535.95 1890.81,3576.09 1531.25,3576.09 1514.6,3592.74 1514.6,3705.29 1496.89,3723.01 1462.89,3723.01 1448.29,3708.4 1448.29,3552.41 1475.43,3525.27 1865.92,3525.27 1880.97,3510.22 1880.97,3484.74 1867.74,3471.51 1593.91,3471.51 1584.5,3462.1 1584.5,3434.16 1592.1,3426.56 1893.39,3426.56 1935.83,3384.12 2082.62,3384.12 2105.88,3360.86 2105.88,3310.23 2117.18,3298.92 2142.14,3298.92 2171.95,3269.11 2171.95,3223.59 2151.38,3203.01 2107.87,3203.01 2096.11,3191.25 2096.11,3110.71 2125.82,3081 R185_1.2@2155.9,3081 2254.44,3081 2271.84,3063.6 2326.4,3063.6 2354.59,3035.41 v2(2354.59,3020.14)
AWR_1_DIG_SYNCIN_RS: R132.1 U8.16 | length 81.4
  L8 BOTTOM w7.75: R132.1@2106.16,3645.7 2106.16,3685.25 2122.73,3701.82 U8.16@2141.18,3701.82